# Altium PCB Hrafn.PcbDoc (part 1 of 5) (continued)
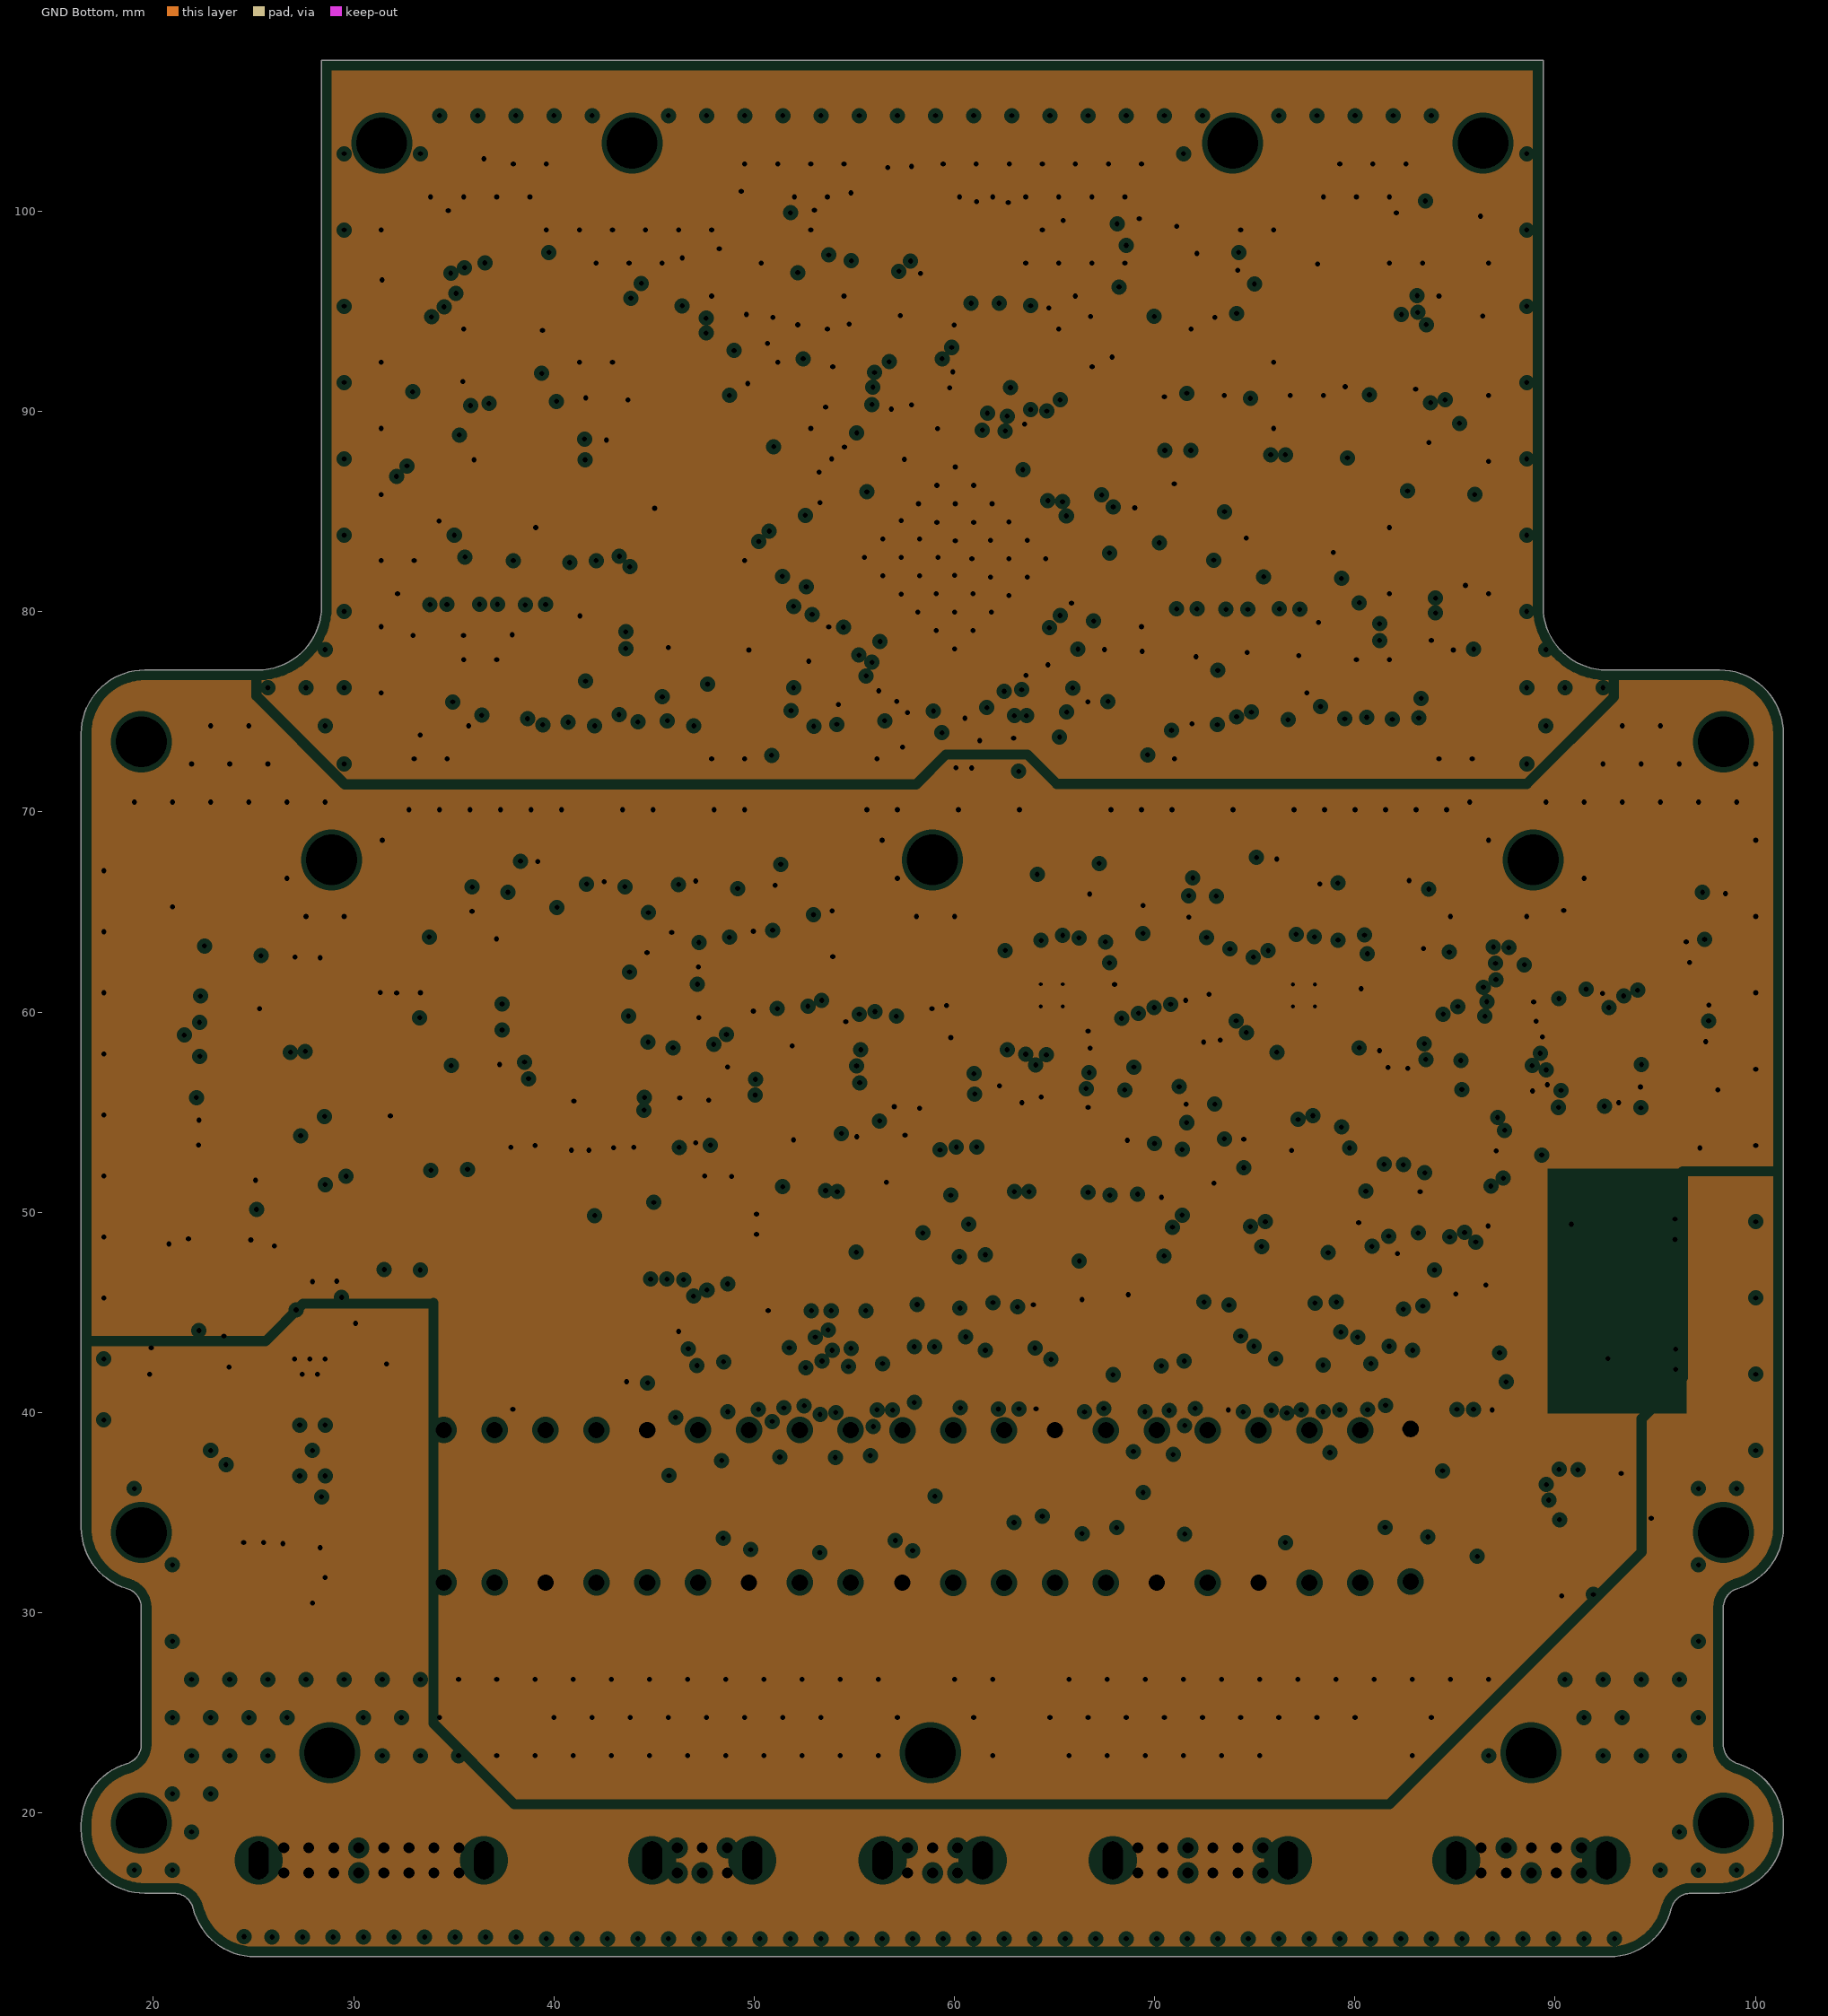
[diagram p7: GND Bottom, clearances drawn from the general rule]

## Layer stack, top to bottom
Top Solder: solder mask 0.0102, Solder Resist, Dk 3.5
Top Layer: signal copper 0.035
Dielectric 1: prepreg 0.1143, PP-010, Dk 3.7
GND Top: plane copper 0.035, net (Multiple Nets)
Dielectric 2: core 0.2032, Core-015, Dk 3.7
Internal Top: signal copper 0.035
Dielectric 6: prepreg 0.2413, PP-022, Dk 3.7
PWR Top: plane copper 0.035, net (Multiple Nets)
Dielectric 3: core 0.127, Core-015, Dk 3.7
PWR Bottom: plane copper 0.035, net (Multiple Nets)
Dielectric 7: prepreg 0.2413, PP-022, Dk 3.7
Internal Bottom: signal copper 0.035
Dielectric 4: core 0.2032, Core-015, Dk 3.7
GND Bottom: plane copper 0.035, net (Multiple Nets)
Dielectric 5: prepreg 0.1143, PP-010, Dk 3.7
Bottom Layer: signal copper 0.035
Bottom Solder: solder mask 0.0102, Solder Resist, Dk 3.5

## Board outline
16.396,19.159 16.396,19.414 cw(c19.571,19.414) 18.677,22.461 ccw(c18.396,23.42) 19.396,23.42 19.396,30.248 ccw(c18.396,30.248) 18.677,31.208 cw(c19.571,34.255) 16.396,34.255 16.396,73.909 cw(c19.571,73.909) 19.571,77.084 25.221,77.084 ccw(c25.221,80.259) 28.396,80.259 28.396,107.544 89.396,107.544 89.396,80.259 ccw(c92.571,80.259) 92.571,77.084 98.221,77.084 cw(c98.221,73.909) 101.396,73.909 101.396,34.255 cw(c98.221,34.255) 99.114,31.208 ccw(c99.396,30.248) 98.396,30.248 98.396,23.42 ccw(c99.396,23.42) 99.114,22.461 cw(c98.221,19.414) 101.396,19.414 101.396,19.159 cw(c98.221,19.159) 98.221,15.984 96.773,15.984 ccw(c96.773,14.984) 95.802,15.225 cw(c92.721,15.989) 92.721,12.814 25.071,12.814 cw(c25.071,15.989) 21.989,15.225 ccw(c21.018,14.984) 21.018,15.984 19.571,15.984 cw(c19.571,19.159)

## Design rules (kind name [scope] priority, off if disabled: settings)
BoardOutlineClearance [All] p1: gap=0 ignorepadtopadclearanceinfootprint=FALSE
Clearance Clearance_HighSpeed [OnLayer('High Speed Bottom') Or OnLayer('High Speed Top') vs InNet('GND')] p1: gap=0.152 ignorepadtopadclearanceinfootprint=FALSE except(0: Arc-Hole Track-Hole SMDPad-Hole THPad-Hole Via-Hole Fill-Hole Poly-Hole Region-Hole Text-Hole; 0.127: Arc-Via Track-Via SMDPad-Via THPad-Via Via-Via; 0.635: Arc-Fill Arc-Poly Arc-Region Track-Fill Track-Poly Track-Region THPad-Fill THPad-Poly THPad-Region Via-Fill Via-Poly Via-Region Fill-Fill Fill-Poly Fill-Region Poly-Poly Poly-Region Region-Region)
Clearance Clearance_General [All] p2: gap=0.127 ignorepadtopadclearanceinfootprint=FALSE except(0.152: Arc-Fill Arc-Poly Arc-Region Track-Fill Track-Poly Track-Region SMDPad-SMDPad; 0.178: SMDPad-THPad SMDPad-Via THPad-Via Via-Via; 0.203: SMDPad-Fill SMDPad-Poly SMDPad-Region THPad-Fill THPad-Poly THPad-Region Via-Fill Via-Poly Via-Region Fill-Fill Fill-Poly Fill-Region Poly-Poly Poly-Region Region-Region)
Clearance "Clearance~Sunstone Circuits" [All] p3: gap=0.152 ignorepadtopadclearanceinfootprint=FALSE except(0: Arc-Hole Track-Hole SMDPad-Hole THPad-Hole Via-Hole Fill-Hole Poly-Hole Region-Hole Text-Hole) // Sunstone Circuits Minimum Clearance Rule (MLB~4&6 Layer Designs)
DiffPairsRouting DiffPairsRoutingD100 [InDifferentialPairClass('LVDS')  or InDifferentialPairClass('ETH')] p1: maxlimit=0.305 minlimit=0.178 mostfreqgap=0.305 toplayer_maxgap=0.178 toplayer_prefgap=0.178 toplayer_minwidth=0.152 toplayer_maxwidth=0.152 toplayer_prefwidth=0.152 midlayer1_mingap=0.305 midlayer1_minwidth=0.152 midlayer1_maxwidth=0.152 midlayer1_prefwidth=0.152 midlayer2_mingap=0.305 midlayer2_minwidth=0.152 midlayer2_maxwidth=0.152 midlayer2_prefwidth=0.152 bottomlayer_maxgap=0.178 bottomlayer_prefgap=0.178 bottomlayer_minwidth=0.152 bottomlayer_maxwidth=0.152 bottomlayer_prefwidth=0.152 impedanceprofiledriven=TRUE impedanceprofileid={0255C0EB-6B69-438E-8701-ADB483C0637E} impedanceprofilevalue=100.000000 maxuncoupledlength=2.54
DiffPairsRouting DiffPairsRoutingRS422 [InDifferentialPairClass('CAN')] p2: maxlimit=0.305 minlimit=0.178 mostfreqgap=0.305 toplayer_maxgap=0.178 toplayer_prefgap=0.178 toplayer_minwidth=0.152 toplayer_maxwidth=0.152 toplayer_prefwidth=0.152 midlayer1_mingap=0.305 midlayer1_minwidth=0.152 midlayer1_maxwidth=0.152 midlayer1_prefwidth=0.152 midlayer2_mingap=0.305 midlayer2_minwidth=0.152 midlayer2_maxwidth=0.152 midlayer2_prefwidth=0.152 bottomlayer_maxgap=0.178 bottomlayer_prefgap=0.178 bottomlayer_minwidth=0.152 bottomlayer_maxwidth=0.152 bottomlayer_prefwidth=0.152 impedanceprofiledriven=TRUE impedanceprofileid={0255C0EB-6B69-438E-8701-ADB483C0637E} impedanceprofilevalue=100.000000 maxuncoupledlength=2.54
DiffPairsRouting [All] p3: maxlimit=0.254 minlimit=0.152 mostfreqgap=0.203 toplayer_minwidth=0.152 toplayer_maxwidth=0.254 toplayer_prefwidth=0.203 midlayer1_minwidth=0.152 midlayer1_maxwidth=0.254 midlayer1_prefwidth=0.203 midlayer2_minwidth=0.152 midlayer2_maxwidth=0.254 midlayer2_prefwidth=0.203 bottomlayer_minwidth=0.152 bottomlayer_maxwidth=0.254 bottomlayer_prefwidth=0.203 maxuncoupledlength=12.7
HoleSize [All] p1: absolutevalues=TRUE maxlimit=25.4 minlimit=0.152 maxpercent=80.000 minpercent=20.000
HoleSize "HoleSize~Sunstone Circuits" [All] p2: absolutevalues=TRUE maxlimit=6.375 minlimit=0.203 maxpercent=80.000 minpercent=20.000 // Sunstone Circuits Hole Size Rule (MLB~4&6 Layer Designs)
HoleSize Testpoint [All] p3: absolutevalues=TRUE maxlimit=2.54 minlimit=0.025 maxpercent=80.000 minpercent=20.000
HoleSize TestPointUsage [All] p4: absolutevalues=TRUE maxlimit=2.54 minlimit=0.025 maxpercent=80.000 minpercent=20.000
MatchedLengths [InDifferentialPairClass('ETH')] p1: tolerance=1.27 checknetsindiffpair=TRUE checkdiffpairvsdiffpair=FALSE checkxsignals=FALSE checkothers=FALSE
MatchedLengths LVDS [InDifferentialPairClass('LVDS')] p2: tolerance=1.27 checknetsindiffpair=TRUE checkdiffpairvsdiffpair=FALSE checkxsignals=FALSE checkothers=FALSE
MatchedLengths RS422 [InDifferentialPairClass('RS422')] p3: tolerance=1.27 checknetsindiffpair=TRUE checkdiffpairvsdiffpair=FALSE checkxsignals=FALSE checkothers=FALSE
MaxMinImpedance [InNetClass('50S')] p1: minimum=1.000 maximum=10.00
MinimumAnnularRing [IsVia] p1: minimumring=0.102
MinimumAnnularRing "MinimumAnnularRing~Sunstone Circuits" [All] p2: minimumring=0.178 // Sunstone Circuits Minimum Annular Ring (MLB~4&6 Layer Designs)
MinimumSolderMaskSliver [All] p1: minsoldermaskwidth=0.076
PlaneClearance PlaneClearance_General [All] p1: clearance=0.254
PlaneClearance "PlaneClearance~Sunstone Circuits" [All] p2: clearance=0.305 // Sunstone Circuits Power Plane Clearance Rule (MLB~4&6 Layer Designs)
PlaneConnect [All] p1: pad.planeconnectstyle=Relief pad.reliefexpansion=0.305 pad.reliefentries=4 pad.reliefconductorwidth=0.254 pad.reliefairgap=0.203 via.planeconnectstyle=Direct via.reliefexpansion=0.508 via.reliefentries=4 via.reliefconductorwidth=0.254 via.reliefairgap=0.254
PlaneConnect "PlaneConnect~Sunstone Circuits" [All] p2: planeconnectstyle=Relief reliefexpansion=0.254 reliefentries=4 reliefconductorwidth=0.203 reliefairgap=0.254 // Sunstone Circuits Power Plane Connect Rule (MLB~4&6 Layer Designs)
PolygonConnect "PolygonConnect~Sunstone Circuits" [All] p1: thpad.connectstyle=Relief thpad.reliefconductorwidth=0.203 thpad.reliefentries=4 thpad.polygonreliefangle="90 Angle" thpad.airgapwidth=0.254 smdpad.connectstyle=Relief smdpad.reliefconductorwidth=0.203 smdpad.reliefentries=4 smdpad.polygonreliefangle="90 Angle" smdpad.airgapwidth=0.254 via.connectstyle=Direct via.reliefconductorwidth=0.203 via.reliefentries=4 via.polygonreliefangle="90 Angle" via.airgapwidth=0.254 // Sunstone Circuits Polygon Connect Style (MLB~4&6 Layer Designs)
PolygonConnect general_polygons [All] p2: thpad.connectstyle=Relief thpad.reliefconductorwidth=0.254 thpad.reliefentries=4 thpad.polygonreliefangle="90 Angle" thpad.airgapwidth=0.254 smdpad.connectstyle=Relief smdpad.reliefconductorwidth=0.254 smdpad.reliefentries=4 smdpad.polygonreliefangle="90 Angle" smdpad.airgapwidth=0.254 via.connectstyle=Direct via.reliefconductorwidth=0.254 via.reliefentries=4 via.polygonreliefangle="90 Angle" via.airgapwidth=0.254
PolygonConnect thermal_surface [All] p3: connectstyle=Direct reliefconductorwidth=0.254 reliefentries=4 polygonreliefangle="90 Angle" airgapwidth=0.254
RoomDefinition MF8 [InComponentClass('MF8')] p1: confinementstyle=ConfineIn formatcopy=TRUE lockcomponents=FALSE outline 78.13,77.851 83.464,77.851 83.464,80.137 78.13,80.137
RoomDefinition MF6 [InComponentClass('MF6')] p2: confinementstyle=ConfineIn formatcopy=TRUE lockcomponents=FALSE outline 73.025,77.927 75.311,77.927 75.311,83.261 73.025,83.261
RoomDefinition MF7 [InComponentClass('MF7')] p3: confinementstyle=ConfineIn formatcopy=TRUE lockcomponents=FALSE outline 75.565,77.927 77.851,77.927 77.851,83.261 75.565,83.261
RoomDefinition MF5 [InComponentClass('MF5')] p4: confinementstyle=ConfineIn formatcopy=TRUE lockcomponents=FALSE outline 70.46,77.927 72.746,77.927 72.746,83.261 70.46,83.261
RoomDefinition MC2 [InComponentClass('MC2')] p5: confinementstyle=ConfineIn formatcopy=TRUE lockcomponents=FALSE outline 64.643,63.525 87.173,63.525 87.173,101.016 64.643,101.016
RoomDefinition MC1 [InComponentClass('MC1')] p6: confinementstyle=ConfineIn formatcopy=TRUE lockcomponents=FALSE outline 30.977,87.451 30.977,90.959 31.42,100 48.71,100.727 51.468,100.727 52.96,96.919 52.96,94.461 52.366,84.245 50.911,71.372 49.03,64.392 39.968,63.496 38.06,63.496 33.887,64.122 31.703,71.372
RoomDefinition MF2 [InComponentClass('MF2')] p7: confinementstyle=ConfineIn formatcopy=TRUE lockcomponents=FALSE outline 35.605,80.478 35.605,81.836 35.605,83.486 37.863,83.486 37.863,81.428 37.863,78.178 35.605,78.178
RoomDefinition MF3 [InComponentClass('MF3')] p8: confinementstyle=ConfineIn formatcopy=TRUE lockcomponents=FALSE outline 38.005,80.452 38.005,81.81 38.005,83.46 40.263,83.46 40.263,81.402 40.263,78.152 38.005,78.152
RoomDefinition MF4 [InComponentClass('MF4')] p9: confinementstyle=ConfineIn formatcopy=TRUE lockcomponents=FALSE outline 40.489,77.462 40.489,79.72 42.547,79.72 45.797,79.72 45.797,77.462 43.497,77.462 42.139,77.462
RoomDefinition U_Power_HK [InComponentClass('U_Power_HK')] p10: confinementstyle=ConfineIn formatcopy=TRUE lockcomponents=FALSE outline 19.076,48.812 19.076,68.02 59.958,94.117 61.037,94.805 65.195,94.805 94.565,35.385 94.565,32.002 93.841,31.198 38.227,14.924 23.589,14.924 20.015,38.335
RoomDefinition U_Magnetometers [InComponentClass('U_Magnetometers')] p11: confinementstyle=ConfineIn formatcopy=TRUE lockcomponents=FALSE outline 51.203,90.132 51.203,92.19 52.971,99.654 55.651,102.178 59.259,102.178 63.304,100.306 65.279,96.704 68.227,84.137 67.329,79.718 66.146,78.044 65.185,77.084 60.059,74.103 56.306,73.692 54.248,73.692 52.19,75.371
RoomDefinition U_Hrafn_Top [InComponentClass('U_Hrafn_Top')] p12: confinementstyle=ConfineIn formatcopy=TRUE lockcomponents=FALSE outline 27.255,30.073 27.255,40.86 28.133,42.911 48.558,47.656 67.258,47.824 86.466,47.824 89.968,40.86 89.968,30.073
RoomDefinition U_Ethernet [InComponentClass('U_Ethernet')] p13: confinementstyle=ConfineIn formatcopy=TRUE lockcomponents=FALSE outline 82.905,63.234 82.905,64.592 92.358,68.754 96.286,68.951 99.244,68.951 99.315,64.171 99.315,61.863 98.582,39.245 94.277,14.939 83.389,14.939
RoomDefinition U_Clock [InComponentClass('U_Clock')] p14: confinementstyle=ConfineIn formatcopy=TRUE lockcomponents=FALSE outline 43.9,14.899 43.9,20.307 54.946,59.883 58.521,60.229 59.879,60.229 72.314,60.129 74.153,60.089 74.386,53.412 74.386,47.517 63.074,14.944 50.916,14.899
RoomDefinition U_CAN_Bus [InComponentClass('U_CAN_Bus')] p15: confinementstyle=ConfineIn formatcopy=TRUE lockcomponents=FALSE outline 66.214,14.949 66.214,20.357 72.758,61.106 73.54,62.675 74.949,64.662 77.007,64.662 83.457,63.852 84.107,62.852 84.2,57.67 84.2,52.159 78.352,14.949
RoomDefinition MF1 [InComponentClass('MF1')] p16: confinementstyle=ConfineIn formatcopy=TRUE lockcomponents=FALSE outline 33.13,80.452 33.13,81.81 33.13,83.46 35.388,83.46 35.388,81.402 35.388,78.152 33.13,78.152
RoomDefinition LCF [InComponentClass('LCF')] p17: confinementstyle=ConfineIn formatcopy=TRUE lockcomponents=FALSE outline 37.096,57.551 37.096,63.659 44.871,63.934 46.929,63.934 46.929,60.676 46.829,58.426 44.204,57.551
RoutingVias [All] p1: holewidth=0.254 width=0.559 viastyle="Through Hole" minholewidth=0.203 minwidth=0.508 maxholewidth=0.711 maxwidth=1.27
RoutingVias "RoutingVias~Sunstone Circuits" [All] p2: holewidth=0.406 width=0.762 viastyle="Through Hole" minholewidth=0.203 minwidth=0.61 maxholewidth=0.508 maxwidth=1.016 // Sunstone Circuits Routing Vias Rule (MLB~4&6 Layer Designs)
ShortCircuit "ShortCircuit~Sunstone Circuits" [All] p1: allowed=FALSE // Sunstone Circuits Short Circuit Rule~Do Not Allow (MLB~4&6 Layer Designs)
ShortCircuit [All] p2: allowed=FALSE
SilkToSilkClearance [All] p1: silktosilkclearance=0
SilkToSolderMaskClearance SilkToSolderMaskClearance_pad [IsPad] p1: minsilkscreentomaskgap=0.127 clearancetoexposedcopper=TRUE
SilkToSolderMaskClearance [(IsVia OR InPadClass('All Pads'))] p2: minsilkscreentomaskgap=0.076 clearancetoexposedcopper=TRUE
SolderMaskExpansion "Pads and Vias" [(InPadClass('All Pads') OR IsVia)] p1: expansion=0.051 istentingtop=FALSE
SolderMaskExpansion Default [All] p2: expansion=0.127 istentingtop=FALSE
SolderMaskExpansion "SolderMaskExpansion~Sunstone Circuits" [All] p3: expansion=0.076 istentingtop=FALSE // Sunstone Circuits Solder Mask Expansion Rule (MLB~4&6 Layer Designs)
ViasUnderSMD "ViasUnderSMD~Sunstone Circuits" [All] p1: allowed=FALSE // Sunstone Circuits Vias Under SMD~Do Not Allow (MLB~4&6 Layer Designs)
Width "Controlled Impedance" [InNetClass('50S')] p1: maxlimit=0.441 minlimit=0.093 preferedwidth=0.381 toplayer_minwidth=0.381 midlayer1_maxwidth=0.127 midlayer1_prefwidth=0.127 midlayer2_maxwidth=0.127 midlayer2_prefwidth=0.127 bottomlayer_minwidth=0.381 minimp=50.000000 maximp=50.000000 favimp=50.000000
Width General [All] p2: maxlimit=0.762 minlimit=0.152 preferedwidth=0.203
Width "Width~Sunstone Circuits" [All] p3: maxlimit=2.54 minlimit=0.152 preferedwidth=0.254 // Sunstone Circuits Minimum Width Rule (MLB~4&6 Layer Designs)
22 further rules are at their usual default settings.

## Classes and differential pairs
differential pair class LVDS: 800KHZ PPS
differential pair class ETH: A B TPIN TPOUT
differential pair class ANALOG_DIFF: OUTAA OUTAB OUTBA OUTBB OUTCA OUTCB
channel class Magnetometer_Filter: MF1 MF2 MF3 MF4 MF5 MF6 MF7 MF8
channel class Magnetometer_Channel: MC1 MC2
component class U_Power_HK: C1 C2 C3 C4 C5 C6 C7 C8 C9 C10 C11 C12 C13 C14 C15 C16 C17 C18 C19 C20 C21 C22 C23 C24 C25 C26 C27 C28 C29 C30 C31 C32 C33 C34 C35 C36 C37 C38 C39 D1 D2 D3 D4 D5 D6 FB2 FB3 FL1 J2 L1 P3 Q1 R47 R48 R49 R50 R51 R52 R53 R54 R55 R56 R57 R58 R59 R60 R62 R63 R64 R65 R66 R67 R68 R69 R70 R71 R72 R73 R74 R75 R76 R77 R78 R79 R80 R81 U1 U2 U3 U4 U5 U6 U7 U8 U9
component class U_Magnetometers: C81 C82 C83 C84 C85 C86 C87 C88 C89 C90 C91 C92 C93 C94 C95 C96 C97 C98 R117 R118 R119 R120 R121 R122 R123 R124 R125 R126 R127 R128 R132 R133 R134 R135 R136 U25 U26
component class U_Hrafn_Top: FB1 J1 P1 P2 R1 R2 R3 R4 R5 R6 R7 R8 R9 R10 R11 R12 R13 R14 R15 R16 R17 R18 R19 R20 R21 R22 R23 R24 R25 R26 R27 R28 R29 R30 R31 R32 R33 R34 R35 R36 R37 R38 R39 R40 R41 R42 R43 R44 R45 R46
component class U_Ethernet: C61 C62 C63 C64 C65 C66 C67 C68 C69 C70 C71 C72 C73 C105 C107 C108 C109 D11 D12 FB4 FB5 FB6 J5 R103 R104 R105 R106 R107 R108 R109 R110 R111 R112 R139 R140 R141 R142 R143 U20 U21 U22 X1
component class U_Clock: C54 C55 C56 C57 C58 C59 C60 D7 D8 D9 D10 J3 J4 P5 R100 R101 R102 R138 U16 U17 U18 U19
component class U_CAN_Bus: C74 C75 C76 C77 C78 C79 C80 FB7 J6 R61 R113 R114 R115 R116 R137 U23 U24 X2
component class MF8: C99H C100H C101H R129H R130H
component class MF7: C99G C100G C101G R129G R130G
component class MF6: C99F C100F C101F R129F R130F
component class MF5: C99E C100E C101E R129E R130E
component class MF4: C99D C100D C101D R129D R130D
component class MF3: C99C C100C C101C R129C R130C
component class MF2: C99B C100B C101B R129B R130B
component class MF1: C99A C100A C101A R129A R130A
component class MC2: C40B C41B C42B C43B C44B C45B C46B C47B C48B C49B C50B C51B C52B C53B P4B Q2B Q3B R82B R83B R84B R85B R86B R87B R88B R89B R90B R91B R92B R93B R94B R95B R96B R97B R98B R99B U10B U11B U12B U13B U14B U15B
component class MC1: C40A C41A C42A C43A C44A C45A C46A C47A C48A C49A C50A C51A C52A C53A P4A Q2A Q3A R82A R83A R84A R85A R86A R87A R88A R89A R90A R91A R92A R93A R94A R95A R96A R97A R98A R99A U10A U11A U12A U13A U14A U15A
component class LCF: C102 C103 C104 L2 R131
differential pair CAN: +CAN_p -CAN_n
differential pair TPOUT: +TPOUT_P -TPOUT_N
differential pair TPIN: +TPIN_P -TPIN_N
differential pair PPS: +PPS_P -PPS_N
differential pair OUTCB: +OUTCA_P -OUTCA_N
differential pair OUTCA: +OUTCB_P -OUTCB_N
differential pair OUTBB: +OUTBA_P -OUTBA_N
differential pair OUTBA: +OUTBB_P -OUTBB_N
differential pair OUTAB: +OUTAA_P -OUTAA_N
differential pair OUTAA: +OUTAB_P -OUTAB_N
differential pair B: +B_P -B_N
differential pair A: +A_P -A_N
differential pair 800KHZ: +800KHZ_P -800KHZ_N

## Components (designator, comment, footprint, x,y, rotation, side; value= is the part's Value field where it differs from the comment)
C1 "GRT32EC81C476ME13L" FP-GRT32E-0_3-IPC_C 48.108,49.454 r90 top
C2 "GRT32EC81C476ME13L" FP-GRT32E-0_3-IPC_C 21.819,40.691 r90 top
C3 "0.1 uF" CAPC0402(1005)60_L 69.517,61.969 r90 top value=100nF
C4 "0.1 uF" CAPC0402(1005)60_L 71.491,61.969 r90 top value=100nF
C5 "0.1 uF" CAPC0402(1005)60_L 73.291,61.969 r90 top value=100nF
C6 "0.1 uF" CAPC0402(1005)60_L 50.114,67.716 r180 top value=100nF
C7 "EMK107BBJ106MA-T" CAPC1608X100X35LL20T25 61.57,61.9 r270 top
C8 "1 uF" CAPC1005X60X30NL05T10 60.884,59.995 r180 top
C9 "0.1 uF" CAPC0402(1005)60_L 67.589,58.725 r270 top value=100nF
C10 "0.1 uF" CAPC0402(1005)60_L 49.958,65.173 r90 top value=100nF
C11 "0.1 uF" CAPC0402(1005)60_L 45.237,53.238 r0 top value=100nF
C12 "0.1 uF" CAPC0402(1005)60_L 37.736,56.762 r0 top value=100nF
C13 "GRT32EC81C476ME13L" FP-GRT32E-0_3-IPC_C 52.527,49.251 r180 top
C14 "EMK107BBJ106MA-T" CAPC1608X100X35LL20T25 54.635,52.375 r270 top
C15 "0.1 uF" CAPC0402(1005)60_L 47.473,52.73 r0 top value=100nF
C16 "EMK107BBJ106MA-T" CAPC1608X100X35LL20T25 63.881,65.507 r90 top
C17 "0.1 uF" CAPC0402(1005)60_L 58.192,74.15 r45 top value=100nF
C18 "10 nF" CAPC1005X56X25NL10T15 90.119,33.553 r90 top
C19 "10 nF" CAPC1005X56X25NL10T15 90.983,31.775 r0 top
C20 "0.1 uF" CAPC0402(1005)60_L 48.336,56.083 r90 top value=100nF
C21 "GRT32EC81C476ME13L" FP-GRT32E-0_3-IPC_C 27.686,60.376 r90 top
C22 "EMK107BBJ106MA-T" CAPC1608X100X35LL20T25 25.25,61.475 r90 top
C23 "0.1 uF" CAPC0402(1005)60_L 54.506,58.526 r90 top value=100nF
C24 "0.27 uF" CAPC1005X55X25LL05T10 28.829,57.836 r180 top
C25 "GRT32EC81C476ME13L" FP-GRT32E-0_3-IPC_C 28.677,48.971 r270 top
C26 "EMK107BBJ106MA-T" CAPC1608X100X35LL20T25 53.823,66.751 r90 top
C27 "0.1 uF" CAPC0402(1005)60_L 64.925,65.5 r270 top value=100nF
C28 "EMK107BBJ106MA-T" CAPC1608X100X35LL20T25 66.748,77.333 r180 top
C29 "0.1 uF" CAPC0402(1005)60_L 67.048,76.233 r0 top value=100nF
C30 "10 nF" CAPC1005X56X25NL10T15 60.737,92.888 r90 top
C31 "0.1 uF" CAPC0402(1005)60_L 69.393,66.675 r90 top value=100nF
C32 "0.1 uF" CAPC0402(1005)60_L 49.251,56.109 r90 top value=100nF
C33 "10 nF" CAPC1005X56X25NL10T15 59.9,73.15 r180 top
C34 "100pF" CAPC1005X55X25ML05T10 23.7,48.619 r180 top
C35 "3.3 nF" CAPC1005X56X25ML10T15 21.265,47.265 r0 top
C36 "15 nF" CAPC1005X55X25NL05T10 22.611,45.411 r90 top
C37 "GRT32EC81C476ME13L" FP-GRT32E-0_3-IPC_C 49.6,61.975 r180 top
C38 "EMK107BBJ106MA-T" CAPC1608X100X35LL20T25 52.9,62.15 r270 top
C39 "0.1 uF" CAPC0402(1005)60_L 54.1,61.1 r270 top value=100nF
C40A "0.1 uF" CAPC0402(1005)60_L 49.911,93.066 r90 top value=100nF (schematic designator C40)
C40B "0.1 uF" CAPC0402(1005)60_L 66.142,91.313 r0 top value=100nF (schematic designator C40)
C41A "GRM219R61A226MEA0D" CAPC2013X95X45LL15T25 38.887,64.948 r270 top (schematic designator C41)
C41B "GRM219R61A226MEA0D" CAPC2013X95X45LL15T25 75.514,65.989 r270 top (schematic designator C41)
C42A "EMK107BBJ106MA-T" CAPC1608X100X35LL20T25 50.089,99.898 r0 top (schematic designator C42)
C42B "EMK107BBJ106MA-T" CAPC1608X100X35LL20T25 68.381,94.74 r0 top (schematic designator C42)
C43A "0.1 uF" CAPC0402(1005)60_L 46.431,96.444 r270 top value=100nF (schematic designator C43)
C43B "0.1 uF" CAPC0402(1005)60_L 73.279,97.638 r90 top value=100nF (schematic designator C43)
C44A "1 uF" CAPC1005X60X30NL05T10 52.181,95.69 r90 top (schematic designator C44)